# Altium PCB GN-1846-A-V2.PcbDoc (part 1 of 4) (continued)
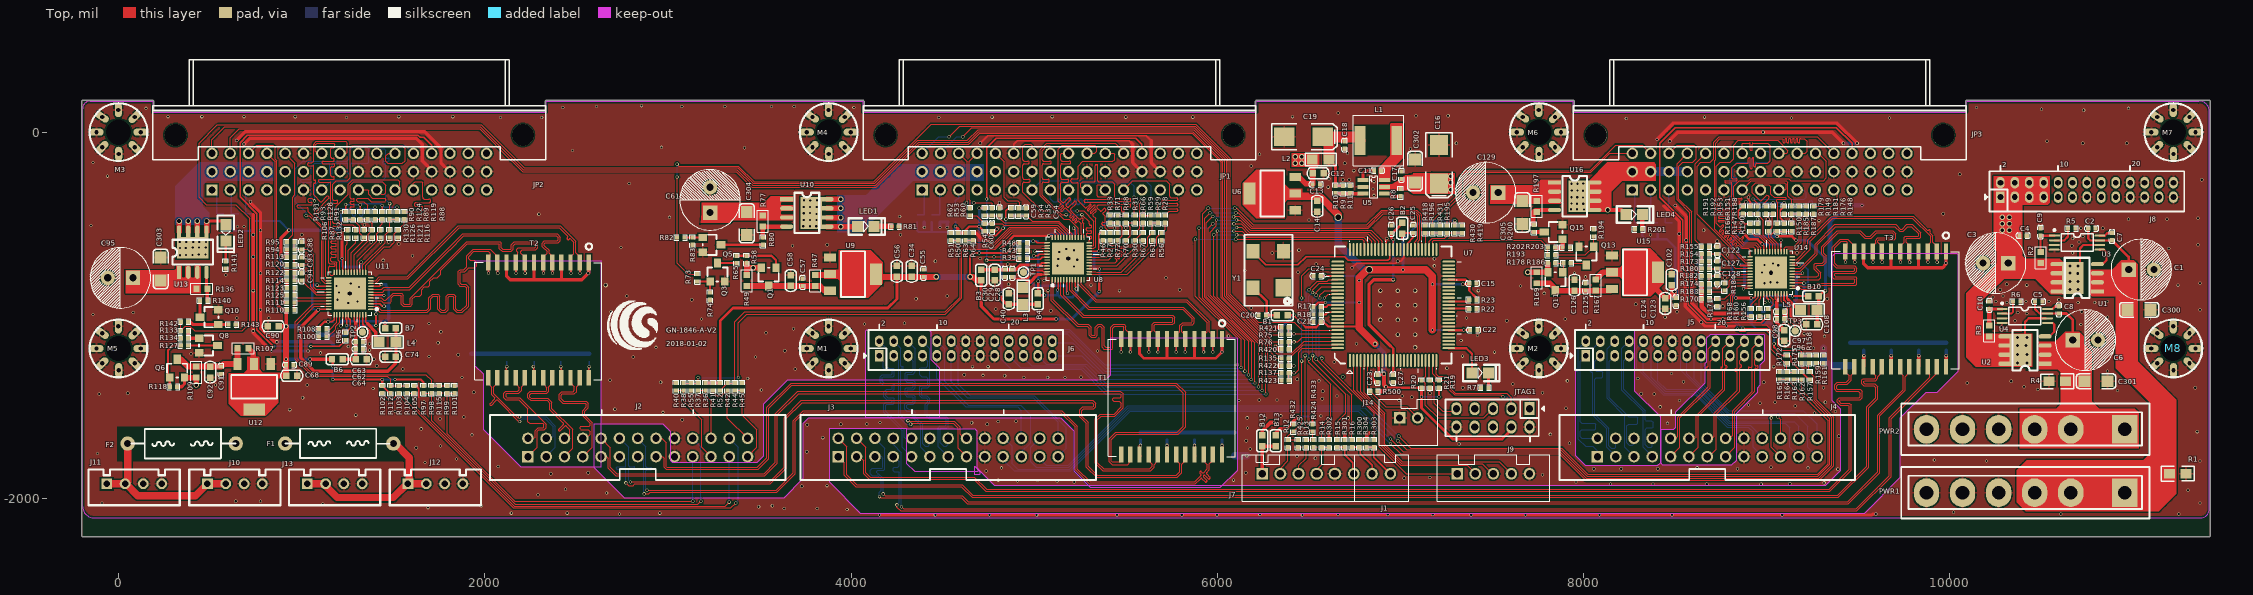
[diagram p0: Top view]
## Components (designator, comment, footprint, x,y, rotation, side; value= is the part's Value field where it differs from the comment) (continued)
R46 "4.7K" 0402R 5375,-590 r90 top
R47 "nc" R0603 3805,-810 r270 top
R48 "4.7K" 0402R 4960,-605 r180 top
R49 "nc" R0603 3430,-810 r90 top
R50 "4.7K" 0402R 4585,-590 r90 top
R51 "nc" 0402R 4545,-590 r90 top
R52 "4.7K" 0402R 3285,-1410 r90 top
R53 "1.5K" 0402R 4730,-455 r90 top
R54 "1.5K" 0402R 4730,-500 r270 top
R55 "4.7K" 0402R 3125,-1370 r270 top
R56 "4.7K" 0402R 5695,-550 r270 top
R58 "100K" 0402R 3430,-715 r90 top
R59 "4.7K" 0402R 5635,-495 r90 top
R60 "33" 0402R 4770,-415 r270 top
R61 "nc" 0402R 5645,-550 r270 top
R62 "33" 0402R 4650,-415 r270 top
R63 "4.7K" 0402R 4625,-590 r90 top
R64 "nc" 0402R 4665,-590 r90 top
R65 "10K" 0402R 3375,-675 r270 top
R66 "4.7K" 0402R 5595,-495 r90 top
R67 "nc" 0402R 5595,-550 r270 top
R68 "4.7K" 0402R 5500,-495 r90 top
R70 "nc" 0402R 5500,-590 r90 top
R71 "4.7K" 0402R 5455,-495 r90 top
R72 "nc" 0402R 5455,-590 r90 top
R73 "2K" 0402R 3160,-815 r90 top
R74 "1K" 0402R 3230,-915 r90 top
R75 "100" 0402R 6350,-1105 r0 top
R76 "100" 0402R 6350,-1145 r0 top
R77 "100K" R0603 3518.15,-485.84 r90 top
R80 "0" 0402R 3520,-615 r90 top
R81 "10K" 0402R 4260,-515 r180 top
R82 "2K" 0402R 3090,-575 r180 top
R83 "1K" 0402R 3135,-615 r90 top
R84 "75" 0402R 2120,-1250 r90 bottom
R85 "75" 0402R 2270,-1250 r90 bottom
R86 "75" 0402R 2415,-1250 r90 bottom
R87 "33" 0402R 1295,-535 r270 top
R88 "33" 0402R 1560,-435 r270 top
R89 "33" 0402R 1480,-435 r270 top
R90 "33" 0402R 1400,-435 r270 top
R91 "33" 0402R 1360,-435 r270 top
R92 "75" 0402R 2570,-1250 r90 bottom
R93 "33" 0402R 1280,-435 r270 top
R94 "nc" 0402R 920,-640 r0 top
R95 "33" 0402R 920,-600 r0 top
R96 "33" 0402R 1240,-1135 r90 top
R97 "nc" 0402R 1665,-1385 r270 top
R98 "0" 0402R 1710,-1385 r270 top
R99 "nc" 0402R 1795,-1385 r270 top
R100 "2.49K/1%" 0402R 1095,-1115 r0 top
R101 "4.7K" 0402R 1835,-1385 r270 top
R102 "4.7K" 0402R 1440,-1385 r270 top
R103 "nc" 0402R 1530,-1385 r270 top
R104 "0" 0402R 1575,-1385 r270 top
R105 "nc" 0402R 1615,-1385 r270 top
R106 "4.7K" 0402R 1250,-575 r90 top
R107 "nc" R0603 680,-1180 r180 top
R108 "4.7K" 0402R 1135,-1075 r180 top
R109 "nc" R0603 425,-1310 r270 top
R110 "4.7K" 0402R 960,-970 r180 top
R111 "nc" 0402R 960,-930 r180 top
R112 "4.7K" 0402R 1485,-1385 r270 top
R113 "1.5K" 0402R 960,-680 r180 top
R114 "1.5K" 0402R 960,-810 r180 top
R115 "4.7K" 0402R 1750,-1385 r270 top
R116 "4.7K" 0402R 1525,-535 r270 top
R118 "100K" 0402R 320,-1390 r180 top
R119 "4.7K" 0402R 1520,-475 r90 top
R120 "33" 0402R 920,-725 r0 top
R121 "nc" 0402R 1480,-535 r270 top
R122 "33" 0402R 920,-770 r0 top
R123 "4.7K" 0402R 960,-850 r180 top
R124 "4.7K" 0402R 1440,-475 r90 top
R125 "nc" 0402R 960,-890 r180 top
R126 "nc" 0402R 1430,-535 r270 top
R127 "10K" 0402R 340,-1165 r0 top
R128 "4.7K" 0402R 1320,-475 r90 top
R130 "nc" 0402R 1385,-535 r270 top
R131 "4.7K" 0402R 1240,-475 r90 top
R132 "nc" 0402R 1340,-575 r90 top
R133 "2K" 0402R 380,-1085 r180 top
R134 "1K" 0402R 340,-1125 r0 top
R135 "100" 0402R 6350,-1235 r0 top
R136 "100K" R0603 455,-855 r180 top
R137 "100" 0402R 6350,-1315 r0 top
R140 "0" 0402R 445,-920 r0 top
R141 "10K" 0402R 585,-745 r90 top
R142 "2K" 0402R 380,-1035 r180 top
R143 "1K" 0402R 640,-1050 r180 top
R144 "75" 0402R 9530,-1190 r90 bottom
R145 "75" 0402R 9680,-1190 r90 bottom
R146 "75" 0402R 9830,-1190 r90 bottom
R147 "33" 0402R 8950,-500 r270 top
R148 "33" 0402R 9255,-405 r270 top
R149 "33" 0402R 9135,-405 r270 top
R150 "33" 0402R 9055,-500 r270 top
R151 "33" 0402R 8995,-405 r270 top
R152 "75" 0402R 9980,-1190 r90 bottom
R153 "33" 0402R 8950,-405 r270 top
R154 "nc" 0402R 8645,-665 r0 top
R155 "33" 0402R 8645,-625 r0 top
R156 "33" 0402R 9005,-1005 r90 top
R157 "nc" 0402R 9235,-1350 r90 top
R158 "0" 0402R 9230,-1220 r270 top
R159 "nc" 0402R 9270,-1220 r270 top
R160 "2.49K/1%" 0402R 8960,-1005 r90 top
R161 "4.7K" 0402R 9310,-1220 r270 top
R162 "4.7K" 0402R 9190,-1310 r270 top
R163 "nc" 0402R 9150,-1310 r270 top
R164 "0" 0402R 9110,-1310 r270 top
R165 "nc" 0402R 9070,-1310 r270 top
R166 "4.7K" 0402R 8910,-540 r90 top
R167 "nc" R0603 8065,-835 r270 top
R168 "4.7K" 0402R 8915,-965 r270 top
R169 "nc" R0603 7745,-795 r90 top
R170 "4.7K" 0402R 8685,-910 r180 top
R171 "nc" 0402R 8730,-910 r270 top
R172 "4.7K" 0402R 9110,-1260 r90 top
R173 "1.5K" 0402R 8685,-705 r180 top
R174 "1.5K" 0402R 8685,-830 r180 top
R175 "4.7K" 0402R 9190,-1220 r270 top
R176 "4.7K" 0402R 9215,-445 r90 top
R178 "100K" 0402R 7805,-715 r0 top
R179 "4.7K" 0402R 9095,-445 r90 top
R180 "33" 0402R 8645,-745 r0 top
R181 "nc" 0402R 9175,-445 r90 top
R182 "33" 0402R 8645,-785 r0 top
R183 "4.7K" 0402R 8685,-870 r180 top
R184 "nc" 0402R 8770,-865 r90 top
R185 "4.7K" 0402R 9095,-540 r90 top
R186 "10K" 0402R 7890,-715 r0 top
R187 "nc" 0402R 9135,-540 r90 top
R188 "4.7K" 0402R 9035,-445 r90 top
R190 "nc" 0402R 9010,-540 r90 top
R191 "4.7K" 0402R 8870,-445 r90 top
R192 "nc" 0402R 8910,-445 r90 top
R193 "2K" 0402R 7845,-670 r180 top
R194 "1K" 0402R 8055,-530 r270 top
R195 "100" 0402R 7255,-510 r270 top
R196 "100" 0402R 7175,-510 r270 top
R197 "100K" R0603 7745,-405 r90 top
R200 "0" 0402R 7730,-545 r90 top
R201 "10K" 0402R 8280,-530 r0 top
R202 "2K" 0402R 7845,-630 r180 top
R203 "1K" 0402R 7925,-630 r180 top
R300 "5K1" 0402R 6775,-1680 r270 top
R301 "5K1" 0402R 6695,-1680 r270 top
R302 "5K1" 0402R 6610,-1680 r270 top
R303 "100" 0402R 6855,-1680 r270 top
R304 "5K1" 0402R 6815,-1680 r270 top
R400 "nc" 0402R 8280,-495 r270 bottom
R401 "nc" 0402R 8365,-495 r270 bottom
R402 "nc" 0402R 8485,-495 r270 bottom
R403 "nc" 0402R 535,-445 r270 bottom
R404 "nc" 0402R 655,-445 r270 bottom
R405 "nc" 0402R 695,-445 r270 bottom
R406 "nc" 0402R 4400,-450 r270 bottom
R407 "nc" 0402R 4485,-450 r270 bottom
R408 "nc" 0402R 4530,-450 r270 bottom
R409 "10K/NC" 0402R 4570,-450 r270 bottom
R410 "10K/NC" 0402R 4440,-450 r270 bottom
R411 "10K/NC" 0402R 4360,-450 r270 bottom
R412 "10K/NC" 0402R 735,-445 r270 bottom
R413 "10K/NC" 0402R 615,-445 r270 bottom
R414 "10K/NC" 0402R 575,-445 r270 bottom
R415 "10K/NC" 0402R 8445,-495 r270 bottom
R416 "10K/NC" 0402R 8405,-495 r270 bottom
R417 "10K/NC" 0402R 8320,-495 r270 bottom
R418 "5K1" 0402R 7135,-550 r90 top
R419 "5K1" 0402R 7335,-550 r90 top
R420 "5K1" 0402R 6390,-1185 r180 top
R421 "5K1" 0402R 6390,-1065 r180 top
R422 "5K1" 0402R 6390,-1275 r180 top
R423 "5K1" 0402R 6390,-1355 r180 top
R424 "5K1" 0402R 6525,-1720 r90 top
R425 "5K1" 0402R 6440,-1720 r90 top
R426 "5K1(NC)" 0402R 6390,-1105 r180 bottom
R427 "5K1(NC)" 0402R 6390,-1145 r180 bottom
R428 "5K1(NC)" 0402R 6390,-1275 r180 bottom
R429 "5K1(NC)" 0402R 6390,-1315 r180 bottom
R430 "5K1(NC)" 0402R 7295,-550 r90 top
R431 "5K1(NC)" 0402R 7215,-550 r90 top
R432 "5K1(NC)" 0402R 6415,-1595 r270 top
R433 "5K1(NC)" 0402R 6520,-1595 r270 top
R500 "4.7K" 0402R 6835,-1415 r0 top
T1 "PULSE H5007" H5007-H 5750,-1445 r180 top locked
T2 "PULSE H5007" H5007-H 2293.15,-1025.84 r180 top
T3 "PULSE H5007" H5007-H 9703.15,-965.84 r180 top
TP1 "T POINT A" TP_G 4941.59,-764.87 r180 top
TP2 "T POINT A" TP_G 1331.95,-1091.57 r270 top
TP3 "T POINT A" TP_G 9155,-1085 r270 top
U1 "SI7139" POWERPAKSO8 10805,-870 r180 top
U2 "SI7139" POWERPAKSO8 10520,-1265 r180 top
U3 "TPS2142PW" TSSOP-8 10570,-565 r0 top
U4 "TPS2142PW" TSSOP-8 10285,-965 r0 top
U5 "SY8113B" SOT23_6_G 6853.66,-298.18 r0 top
U6 "AS1117-3.3" SOT223 6300,-335 r90 top
U7 "EPM240T100C5" TQFP-100P 6723.15,-1245.84 r90 top
U8 "RTL8211D" QFN-48P-RTL8211 5185,-690 r0 top
U9 "AS1117-3.3" SOT223 4010,-775 r270 top
U10 "SI7139" POWERPAKSO8 3648.15,-365.84 r0 top
U11 "RTL8211D" QFN-48P-RTL8211 1263.15,-880.84 r90 top
U12 "AS1117-3.3" SOT223 740,-1390 r180 top
U13 "SI7139" POWERPAKSO8 330.24,-765.21 r90 top
U14 "RTL8211D" QFN-48P-RTL8211 9023.39,-766.85 r90 top
U15 "AS1117-3.3" SOT223 8280,-765 r270 top
U16 "SI7139" POWERPAKSO8 7841.15,-274.84 r0 top
Y1 "NC/25MHZ/20PPM" SCXO_7.0X5.0 6360,-850 r90 top

## Footprints (in the part's own frame and the unit in brackets; to place one, negate y for a bottom-side part, rotate by r counter-clockwise, add the part's x,y. Pads: shape width x height; smd on the part's side, far side on the other; paste and mask are expansions set on the pad)
0402C [mil]
  rect 23x23 smd: 1(0,0) 2(40,0)
  silkscreen extent -18,-15 58,15
0402R [mil]
  rect 23x23 smd: 1(0,0) 2(40,0)
  silkscreen extent -15,-15 55,15
0805 [mil]
  rect 50x60 smd: 1(0,-0.31) 2(0,89.69)
  silkscreen extent -40,-45 40,135
3348RFRS-029 [mil]
  round 118.11 / inner round 60 / far side round 60 hole 118.11: 0(948.82,-200) 0/2(-948.82,-200)
  round 62 / inner round 60 / far side round 60 hole 39.37: A1(750,-100) A2(650,-100) A3(550,-100) A4(450,-100) A5(350,-100) A6(250,-100) A7(150,-100) A8(50,-100) A9(-50,-100) A10(-150,-100) A11(-250,-100) A12(-350,-100) A13(-450,-100) A14(-550,-100) A15(-650,-100) A16(-750,-100) B1(750,0) B2(650,0) B3(550,0) B4(450,0) B5(350,0) B6(250,0) B7(150,0) B8(50,0) B9(-50,0) B10(-150,0) B11(-250,0) B12(-350,0) B13(-450,0) B14(-550,0) B15(-650,0) B16(-750,0) C2(650,100) C3(550,100) C4(450,100) C5(350,100) C6(250,100) C7(150,100) C8(50,100) C9(-50,100) C10(-150,100) C11(-250,100) C12(-350,100) C13(-450,100) C14(-550,100) C15(-650,100) C16(-750,100)
  rect 62x62 / inner round 60 / far side round 60 hole 39.37: C1(750,100)
  silkscreen extent -1073,-612 1073,-65
C0603#1 [mm]
  rect 0.9x0.9 smd: 1(-0.75,0) 2(0.75,0)
  Top pour cut-out: -0.381,0.508 0.381,0.508 0.381,-0.508 -0.381,-0.508
  silkscreen extent -1.52,-0.76 1.53,0.76
C0603#2 [mm]
  rect 0.9x0.9 smd: 1(-0.75,0) 2(0.75,0)
  Top pour cut-out: -0.178,0.508 0.152,0.508 0.152,-0.508 -0.178,-0.508
  silkscreen extent -1.52,-0.76 1.53,0.76
C1206 [mil]
  rect 65x65 smd: 1(0,0) 2(126,0)
  silkscreen extent -44,-40 170,40
C6032 [mil]
  rect 110x100 smd: 1(0,0) 2(210,0)
  silkscreen extent -79,-72 277,72
CE8X3.5 [mm]
  rect 2x2 / inner round 1.524 / far side round 1.524 hole 1: 1(-1.75,0)
  round 2 / inner round 1.524 / far side round 1.524 hole 1: 2(1.75,0)
  silkscreen extent -4.2,-4.2 4.2,4.2
CN2 [mm]
  rect 1.6x1.6 / inner round 1.524 / far side round 1.524 hole 1: 1(0,0)
  round 1.6 / inner round 1.524 / far side round 1.524 hole 1: 2(2.5,0)
  silkscreen extent -2.8,-3.8 5.3,2.6
CON5_2D54MM_G [mm]
  rect 1.6x1.6 / inner round 1.524 / far side round 1.524 hole 1: 1(0,0)
  round 1.6 / inner round 1.524 / far side round 1.524 hole 1: 2(2.5,0) 3(5,0) 4(7.5,0) 5(10,0)
  silkscreen extent -2.8,-3.8 12.8,2.6
CON8_2D54MM_G [mm]
  rect 1.6x1.6 / inner round 1.524 / far side round 1.524 hole 1: 1(0,0)
  round 1.6 / inner round 1.524 / far side round 1.524 hole 1: 2(2.54,0) 3(5.08,0) 4(7.62,0) 5(10.16,0) 6(12.7,0) 7(15.24,0) 8(17.78,0)
  silkscreen extent -2.8,-3.8 20.32,2.6
F15 [mm]
  round 2 hole 1: 1(0,0) 2(15,0)
  silkscreen extent 0.03,-2.01 14.5,2.06
FB0805 [mil]
  rect 60x55 smd: 1(0,0) 2(92,0)
  silkscreen extent -39,-34 131,34
H5007-H [mm]
  rect 0.6x2.2 smd: 1(-6.985,-8) 2(-5.715,-8) 3(-4.445,-8) 4(-3.175,-8) 5(-1.905,-8) 6(-0.635,-8) 7(0.635,-8) 8(1.905,-8) 9(3.175,-8) 10(4.445,-8) 11(5.715,-8) 12(6.985,-8) 13(6.985,8) 14(5.715,8) 15(4.445,8) 16(3.175,8) 17(1.905,8) 18(0.635,8) 19(-0.635,8) 20(-1.905,8) 21(-3.175,8) 22(-4.445,8) 23(-5.715,8) 24(-6.985,8)
  silkscreen extent -8.8,-10.63 8.82,8.3
HERDER2X13 [mm]
  rect 1.6x1.6 / inner round 1.524 / far side round 1.524 hole 1: 1(0,0)
  round 1.6 / inner round 1.524 / far side round 1.524 hole 1: 2(0,2.54) 3(2.54,0) 4(2.54,2.54) 5(5.08,0) 6(5.08,2.54) 7(7.62,0) 8(7.62,2.54) 9(10.16,0) 10(10.16,2.54) 11(12.7,0) 12(12.7,2.54) 13(15.24,0) 14(15.24,2.54) 15(17.78,0) 16(17.78,2.54) 17(20.32,0) 18(20.32,2.54) 19(22.86,0) 20(22.86,2.54) 21(25.4,0) 22(25.4,2.54) 23(27.94,0) 24(27.94,2.54) 25(30.48,0) 26(30.48,2.54)
  silkscreen extent -5.26,-3.23 35.74,6.46
HERDER5X2 [mm]
  rect 1.4x1.8 / inner round 1.524 / far side round 1.524 hole 1: 1(0,0)
  oval 1.4x1.8 / inner round 1.524 / far side round 1.524 hole 1: 2(0,2.54) 3(2.54,0) 4(2.54,2.54) 5(5.08,0) 6(5.08,2.54) 7(7.62,0) 8(7.62,2.54) 9(10.16,0) 10(10.16,2.54)
  silkscreen extent -2.02,-1.27 11.68,4.52
HERDER13X2-2.0 [mm]
  rect 1.2x1.6 hole 0.8: 1(0,0)
  oval 1.2x1.6 hole 0.8: 2(0,2) 3(2,0) 4(2,2) 5(4,0) 6(4,2) 7(6,0) 8(6,2) 9(8,0) 10(8,2) 11(10,0) 12(10,2) 13(12,0) 14(12,2) 15(14,0) 16(14,2) 17(16,0) 18(16,2) 19(18,0) 20(18,2) 21(20,0) 22(20,2) 23(22,0) 24(22,2) 25(24,0) 26(24,2)
  silkscreen extent -2.13,-1.98 25.5,4.32
HK [mm]
  round 3 / inner round 1.524 / far side round 1.524 hole 3.5: 1(-0.012,0.007)
  oval 2x1 / inner round 1.524 / far side round 1.524 hole 0.6: 2(3.063,0.007) 6(-3.062,0.007)
  oval 2x1 / inner round 1.524 / far side round 1.524 hole 0.6 rot 135: 3(2.238,-2.068)
  oval 1x2 / inner round 1.524 / far side round 1.524 hole 0.6: 4(0.013,-3.018) 8(-0.025,3.075)
  oval 2x1 / inner round 1.524 / far side round 1.524 hole 0.6 rot 45: 5(-2.262,-2.068) 9(2.238,2.107)
  oval 2x1 / inner round 1.524 / far side round 1.524 hole 0.6 rot 145: 7(-2.262,2.107)
  silkscreen extent -4.01,-3.99 3.99,4.01
L0603 [mm]
  rect 0.9x0.9 smd: 1(0,0.75) 2(0,-0.75)
  Top pour cut-out: -0.508,0.381 0.508,0.381 0.508,-0.381 -0.508,-0.381
  silkscreen extent -0.76,-1.52 0.76,1.52
LED0805 [mil]
  rect 60x60 smd: A(89.68,-0.39) K(-0.32,-0.39)
  silkscreen extent -60,-45 140,45
MPI6045 [mm]
  rect 1.5x4 smd: 1(-2.538,-0.007) 2(2.562,-0.007)
  silkscreen extent -3.49,-3.51 3.51,3.49
POWERPAKSO8 [mm]
  rect 1.8x0.61 smd: 1(0,0)
  oval 1.8x0.61 smd: 2(0,-1.27) 3(0,-2.54) 4(0,-3.81) 5(5.6,-3.81) 6(5.6,-2.54) 7(5.6,-1.27) 8(5.6,0)
  rect 3x4.425 smd: 9(3.425,-1.9)
  silkscreen extent 1.08,-4.69 4.52,0.9
QFN-48P-RTL8211 [mil]
  oval 8x30 smd mask+2: 1(-86.61,-114.96) 2(-70.87,-114.96) 3(-55.12,-114.96) 4(-39.37,-114.96) 5(-23.62,-114.96) 6(-7.87,-114.96) 7(7.87,-114.96) 8(23.62,-114.96) 9(39.37,-114.96) 10(55.12,-114.96) 11(70.87,-114.96) 12(86.61,-114.96) 25(86.61,114.96) 26(70.87,114.96) 27(55.12,114.96) 28(39.37,114.96) 29(23.62,114.96) 30(7.87,114.96) 31(-7.87,114.96) 32(-23.62,114.96) 33(-39.37,114.96) 34(-55.12,114.96) 35(-70.87,114.96) 36(-86.61,114.96)
  oval 30x8 smd mask+2: 13(114.96,-86.61) 14(114.96,-70.87) 15(114.96,-55.12) 16(114.96,-39.37) 17(114.96,-23.62) 18(114.96,-7.87) 19(114.96,7.87) 20(114.96,23.62) 21(114.96,39.37) 22(114.96,55.12) 23(114.96,70.87) 24(114.96,86.61) 37(-114.96,86.61) 38(-114.96,70.87) 39(-114.96,55.12) 40(-114.96,39.37) 41(-114.96,23.62) 42(-114.96,7.87) 43(-114.96,-7.87) 44(-114.96,-23.62) 45(-114.96,-39.37) 46(-114.96,-55.12) 47(-114.96,-70.87) 48(-114.96,-86.61)
  rect 175x175 / inner round 60 / far side round 60 hole 23.62: 49(0,0)
  silkscreen extent -177,-177 177,179
R0603 [mil]
  rect 32x36 smd: 1(-30,0) 2(30,0)
  Top pour cut-out: -15,20 15,20 15,-20 -15,-20
  silkscreen extent -60,-30 60,30
SCXO_7.0X5.0 [mm]
  rect 2.4x2.2 smd: 1(0.008,0.001)
  rect 2x1.8 smd: 2(5.088,0.001) 3(5.088,4.201) 4(0.008,4.201)
  silkscreen extent -2.48,-1.27 7.37,5.36
SIP4 [mm]
  rect 1.5x1.5 hole 0.9: 1(0.008,0.007)
  round 1.5 hole 0.9: 2(2.548,0.007) 3(5.088,0.007) 4(7.628,0.007)
  silkscreen extent -2.51,-2.96 10.14,2
SOT23 [mil]
  rect 40x45 smd: 1(-40,-50) 2(40,-50)
  rect 40x50 smd: 3(0,50)
  silkscreen extent -55,-50 55,26
SOT23_6_G [mil]
  rect 60x21.65 smd: 1(-59.06,37.4) 2(-59.06,0) 3(-59.06,-37.4) 4(59.06,-37.4) 5(59.06,0) 6(59.06,37.4)
  silkscreen extent -22,-59 22,61
SOT223 [mil]
  rect 45x65 smd: 1(-91,-125) 2(0,-125) 3(91,-125)
  rect 118x65 smd: 4(0,125)
  silkscreen extent -125,-65 125,65
TJC2-6 [mm]
  rect 3.5x4 hole 1.9: 1(0,0.007)
  oval 3.5x4 hole 1.9: 2(7.5,0.007) 3(12.5,0.007) 4(17.5,0.007) 5(22.5,0.007) 6(27.5,0.007)
  silkscreen extent -3.4,-3.55 31,3.56
TP_G [mil]
  round 40 smd: 1(0,0)
  silkscreen extent -30,-30 30,30
TQFP-100P [mil]
  rect 70x11 smd: 1(-0.73,-0.44)
  oval 70x11 smd: 2(-0.73,-20.12) 3(-0.73,-39.81) 4(-0.73,-59.49) 5(-0.73,-79.18) 6(-0.73,-98.86) 7(-0.73,-118.55) 8(-0.73,-138.23) 9(-0.73,-157.92) 10(-0.73,-177.6) 11(-0.73,-197.29) 12(-0.73,-216.97) 13(-0.73,-236.66) 14(-0.73,-256.34) 15(-0.73,-276.03) 16(-0.73,-295.71) 17(-0.73,-315.4) 18(-0.73,-335.08) 19(-0.73,-354.77) 20(-0.73,-374.45) 21(-0.73,-394.14) 22(-0.73,-413.82) 23(-0.73,-433.51) 24(-0.73,-453.19) 25(-0.73,-472.88) 51(605.57,-472.88) 52(605.57,-453.19) 53(605.57,-433.51) 54(605.57,-413.82) 55(605.57,-394.14) 56(605.57,-374.45) 57(605.57,-354.77) 58(605.57,-335.08) 59(605.57,-315.4) 60(605.57,-295.71) 61(605.57,-276.03) 62(605.57,-256.34) 63(605.57,-236.66) 64(605.57,-216.97) 65(605.57,-197.29) 66(605.57,-177.6) 67(605.57,-157.92) 68(605.57,-138.23) 69(605.57,-118.55) 70(605.57,-98.86) 71(605.57,-79.18) 72(605.57,-59.49) 73(605.57,-39.81) 74(605.57,-20.12) 75(605.57,-0.44)
  oval 11x70 smd: 26(66.2,-539.81) 27(85.89,-539.81) 28(105.57,-539.81) 29(125.26,-539.81) 30(144.94,-539.81) 31(164.63,-539.81) 32(184.31,-539.81) 33(204,-539.81) 34(223.68,-539.81) 35(243.37,-539.81) 36(263.05,-539.81) 37(282.74,-539.81) 38(302.42,-539.81) 39(322.11,-539.81) 40(341.79,-539.81) 41(361.48,-539.81) 42(381.16,-539.81) 43(400.85,-539.81) 44(420.53,-539.81) 45(440.22,-539.81) 46(459.9,-539.81) 47(479.59,-539.81) 48(499.27,-539.81) 49(518.96,-539.81) 50(538.64,-539.81) 76(538.64,66.49) 77(518.96,66.49) 78(499.27,66.49) 79(479.59,66.49) 80(459.9,66.49) 81(440.22,66.49) 82(420.53,66.49) 83(400.85,66.49) 84(381.16,66.49) 85(361.48,66.49) 86(341.79,66.49) 87(322.11,66.49) 88(302.42,66.49) 89(282.74,66.49) 90(263.05,66.49) 91(243.37,66.49) 92(223.68,66.49) 93(204,66.49) 94(184.31,66.49) 95(164.63,66.49) 96(144.94,66.49) 97(125.26,66.49) 98(105.57,66.49) 99(85.89,66.49) 100(66.2,66.49)
  silkscreen extent -71,-608 674,135
TSSOP-8 [mm]
  rect 1.5x0.28 smd: 1(0.006,-0.001)
  oval 1.5x0.28 smd: 2(0.006,-0.651) 3(0.006,-1.301) 4(0.006,-1.951) 5(6.306,-1.951) 6(6.306,-1.301) 7(6.306,-0.651) 8(6.306,-0.001)
  silkscreen extent -0.14,-2.18 5.37,0.92

## Part data
B1 B2 B3 B4 B5 B6 B7 B8 B9 B10 B11 B12 B13 F1 F2 L1 L2 L3 L4 L5: library part "CHOKE TORROID_0"
C1 C3 C6 C61 C95 C129: library part "CAP POL"
C2 C4 C5 C7 C8 C9 C10 C11 C16 C17 C18 C19 C20 C300 C301 C302 C303 C304 C305: library part "CAP NP"
C12 C13 C14 C15 C21 C22 C23 C24 C25 C26 C27 C28 C29 C30 C31 C32 C33 C34 C35 C36 C37 C38 C39 C40 C41 C42 C43 C44 C45 C46 C47 C48 C49 C50 C51 C52 C53 C54 C55 C56 C57 C58 C59 C60 C62 C63 C64 C65 C66 C67 C68 C69 C70 C71 C72 C73 C74 C75 C76 C77 C78 C79 C80 C81 C82 C83 C84 C85 C86 C87 C88 C89 C90 C91 C92 C93 C94 C96 C97 C98 C99 C100 C101 C102 C103 C104 C105 C106 C107 C108 C109 C110 C111 C112 C113 C114 C115 C116 C117 C118 C119 C120 C121 C122 C123 C124 C125 C126 C127 C128: library part "CAP NP_Dup1"
J1: library part CON8_0
J2 J3 J4: library part CON26A_0
J7 J9 J10 J11 J12 J13 J14: library part CON8_1
JTAG1: library part CON10A_0
LED1: library part LED_1
LED2 LED3 LED4: library part LED_0
M1 M2 M3 M4 M5 M6 M7 M8: library part GEN35
PWR1 PWR2: library part POWER_4P
Q1 Q6 Q11: library part "MOSFET P_0"
Q3 Q5 Q8 Q10 Q13 Q15: library part 2N3904
R1 R2 R3 R4 R5 R6 R8 R9 R10 R11 R47 R49 R58 R65 R73 R74 R107 R109 R118 R127 R133 R134 R167 R169 R178 R186 R193 R194: library part R
R7 R12 R13 R14 R15 R16 R17 R18 R19 R20 R21 R22 R23 R24 R25 R26 R27 R28 R29 R30 R31 R32 R33 R34 R35 R36 R37 R38 R39 R40 R41 R42 R43 R44 R45 R46 R48 R50 R51 R52 R53 R54 R55 R56 R59 R60 R61 R62 R63 R64 R66 R67 R68 R70 R71 R72 R77 R80 R81 R82 R83 R84 R85 R86 R87 R88 R89 R90 R91 R92 R93 R94 R95 R96 R97 R98 R99 R100 R101 R102 R103 R104 R105 R106 R108 R110 R111 R112 R113 R114 R115 R116 R119 R120 R121 R122 R123 R124 R125 R126 R128 R130 R131 R132 R136 R140 R141 R142 R143 R144 R145 R146 R147 R148 R149 R150 R151 R152 R153 R154 R155 R156 R157 R158 R159 R160 R161 R162 R163 R164 R165 R166 R168 R170 R171 R172 R173 R174 R175 R176 R179 R180 R181 R182 R183 R184 R185 R187 R188 R190 R191 R192 R197 R200 R201 R202 R203 R300 R301 R302 R303 R304 R400 R401 R402 R403 R404 R405 R406 R407 R408 R409 R410 R411 R412 R413 R414 R415 R416 R417 R424 R425 R432 R433 R500: library part R_Dup1
R75 R76 R135 R137 R195 R196 R418 R419 R420 R421 R422 R423 R426 R427 R428 R429 R430 R431: library part R_1
T1 T2 T3: library part "PULSE H5007_0"
U5: library part SY8120
U6: library part AS1117-X_0
U8: library part RTL8211D_2
U9: library part AS1117-X_3
U11 U14: library part RTL8211D_1
U12: library part AS1117-X_1
U15: library part AS1117-X_2
Y1: library part SCXO

## Via types
v1: diameter 18, hole 12, Top to Bottom, 768 vias
v2: diameter 24, hole 16, Top to Bottom, 34 vias
v3: diameter 30, hole 20, Top to Bottom, 27 vias
v4: diameter 40, hole 30, Top to Bottom, 2 vias
v5: diameter 24, hole 14, Top to Bottom, 1 vias

## Nets (pads, with @x,y where several pads share a name; then routed paths per layer and width w, separated by ;. In a path a pad name is that pad's centre, name@x,y a point inside that pad or via, vN(x,y) a via of type N, cw(c..) or ccw(c..) an arc to the next point about the centre after c; other vN are vias at no path point)
5V0: B12.2 C12.1 C13.1 J8.9 J8.10 J8.11 J8.12 L2.2 Q1.2 Q6.2 Q11.2 R49.2 R58.1 R109.2 R118.1 R169.2 R178.1 U6.3 | length 1623.8
  Top w18: R118.1@320,-1390 345,-1390 360,-1375 Q6.2@360,-1340
  Top w20: B12.2@6245,-1655.47 6245,-1630 6290,-1585 v1(6310,-1585)
  Top w30: Q6.2@360,-1340 R109.2@425,-1340 v3(425,-1380) ; R49.2@3430,-780 3430,-745 ; R58.1@3430,-715 3430,-745 ; Q1.2@3510,-740 v3(3465,-740) 3435,-740 3430,-745 ; U6.3@6425,-244 6445.18,-244 6483.18,-282 6517,-282 C13.1@6520,-285 6520,-225.47 C12.1@6520.47,-225 6520.47,-152.47 L2.2@6518,-150 6503,-135 v3(6460,-135) ; v3(6425,-170) v3(6460,-170) v3(6460,-135) ; v3(6425,-135) v3(6460,-135) ; v3(7695,-765) 7765,-765 ; R169.2@7745,-765 7765,-765 ; R178.1@7805,-715 Q11.2@7805,-765 7765,-765
  VCC w20: v1(6310,-1585) 6615,-1585 6685,-1515 v1(6685,-1335)
12VIN: C3.1 C4.1 C16.1 C17.1 C61.1 C95.1 C129.1 C302.1 C303.1 C304.1 C305.1 F1.1 F2.1 J8.1 J8.2 J8.3 J8.4 J8.5 J8.6 J8.7 J8.8 R2.1 R3.1 R8.1 R77.2 R136.2 R197.2 U1.5 U1.6 U1.7 U1.8 U1.9 U2.5 U2.6 U2.7 U2.8 U2.9 U3.6 U4.6 U5.5 U10.1 U10.2 U10.3 U13.1 U13.2 U13.3 U16.1 U16.2 U16.3 | length 4212.1
  Top w5: 188.9,-800 209.45,-820.55 214.45,-825.55 220,-831.1 230,-831.1 330.24,-831.1 330.24,-825 ; U13.1@330.24,-765.21 330.24,-825 ; U13.2@380.24,-765.21 380.24,-825 ; 430.24,-830 385,-830 380.24,-825.24 380.24,-825 ; 3275.26,-430.21 3282.21,-437.16 3289.79,-444.74 3293.15,-444.74 3304.25,-455.84 3430,-455.84 R77.2@3518.15,-455.84 ; U10.3@3648.15,-465.84 3528.15,-465.84 R77.2@3518.15,-455.84 ; U10.2@3648.15,-415.84 3533.15,-415.84 ; U10.1@3648.15,-365.84 3583.15,-365.84 3533.15,-415.84 ; U5.5@6912.72,-298.18 7080,-298.18 7152.69,-298.18 7152.69,-293.18 7093.66,-293.18 7095.92,-290.92 C302.1@7105,-281.84 ; 7583.9,-340 7618.9,-375 C305.1@7665,-375 7725,-375 7725.16,-374.84 7776.15,-374.84 ; U16.3@7841.15,-374.84 7776.15,-374.84 ; U16.2@7841.15,-324.84 7776.15,-324.84 ; U16.1@7841.15,-274.84 7796.15,-274.84 7776.15,-294.84 7776.15,-324.84 ; 330.24,-825 380.24,-825 ; R77.2@3518.15,-455.84 3518.15,-430.84 3533.15,-415.84 ; 7776.15,-374.84 7776.15,-324.84
  Top w10: U2.9@10365.16,-1190.2 10375.16,-1180.2 10380.18,-1175.18 10410,-1145.35 10410,-1120 U2.9@10410,-1115
  Top w12: U2.9@10410,-1115 10410,-1036.23 10430,-1016.23 U4.6@10523.26,-1016.23 ; U1.9@10670.16,-795.2 10695.56,-769.79 10710,-755.35 10710,-730 10710,-635 10728.77,-616.23 U3.6@10818.26,-616.23
  Top w15: R3.1@10215,-1115 10165,-1115 10150,-1100 10150,-883.9 C3.1@10318.9,-715
  Top w18: R136.2@425,-855 430.24,-849.76 430.24,-830 U13.3@430.24,-765.21 ; J8.4@10354.33,-275.59 J8.2@10275.59,-275.59 J8.1@10275.59,-354.33 J8.3@10354.33,-354.33 10354.33,-679.57 C3.1@10318.9,-715 R2.1@10495,-715 ; R2.1@10500,-720 U1.5@10584.53,-720
  Top w24: R3.1@10215,-1115 U2.5@10299.53,-1115
  Top w30: 7118.66,-278.18 7121.84,-275 C16.1@7210,-275 ; C16.1@7210,-315 C16.1@7210,-275 ; C16.1@7210,-240 C16.1@7210,-275
  Top w80: 7118.66,-278.18 7122.82,-282.35
  other v2: 10370,-1260 10420,-1260 10370,-1215 10420,-1215 10370,-1165 10415,-1165 10370,-1120 10420,-1120 10655,-860 10700,-860 10655,-815 10700,-815 10698.06,-772.29 10655,-770 10655,-730 10700,-730
  other v3: 10285,-535 10325,-535 10285,-500 10325,-500 10285,-465 10325,-465 7275,-315 7275,-275 7275,-240
A3V3A: B5.1 C41.1 C42.1 C43.1 U8.6 U8.41 | length 634.9
  Top w8: v1(4996.85,-674.16) 5019.07,-674.16 5026.85,-666.38 U8.41@5070.04,-666.38 ; v1@5176.85,-879.16 5176.85,-805.24 U8.6@5177.13,-804.96
  Bottom w12: C43.1@4961.38,-694.16 4976.85,-694.16 v1(4996.85,-674.16)
  Bottom w15: C42.1@4961.38,-764.16 4961.38,-769.16 4961.38,-793.69 5006.85,-839.16 C41.1@5171.38,-839.16 ; C41.1@5176.85,-844.16 5176.85,-874.16 v1(5181.85,-879.16)
  Bottom w18: 4961.38,-769.16 4961.38,-694.16 B5.1@4961.38,-624.16
A3V3D: B3.2 B5.2 C31.1 C32.1 C33.1 C34.1 C55.1 C56.1 R34.1 R36.1 R41.1 R46.2 R47.1 R48.2 R50.2 R52.2 R53.2 R54.2 R59.2 R63.2 R66.2 R68.2 R71.2 R409.2 R410.2 R411.2 U8.15 U8.21 U8.37 U9.2 U9.4 | length 5764.6
  Top w8: R54.2@4730,-540 4755,-565 4790,-565 v1(4830,-525) ; v1(4845,-475) 4845,-430 4860,-415 R34.1@4880,-415 ; v1(4995,-595) 5007.69,-595 5016.08,-603.39 U8.37@5070.04,-603.39 ; U8.21@5299.96,-650.63 5351.85,-650.63 v1@5355.38,-650.63 ; v1(5351.85,-649.16) 5351.85,-558.15 5360,-550 R46.2@5375,-550 5365,-540 v1(5365,-525) ; R71.2@5455,-455 v1(5475,-455) R68.2@5500,-455 ; R66.2@5595,-455 R59.2@5635,-455 ; R66.2@5600,-450 v1(5600,-430)
  Top w10: v1(4700,-415) R53.2@4730,-415 ; U8.15@5299.96,-745.12 5353.81,-745.12 v1(5355.85,-747.16)
  Top w12: R63.2@4625,-550 4625,-535 4645,-515 v1(4700,-515) 4725,-540 R54.2@4730,-540 ; v3(4650,-790) 4650,-675 4665,-660 v1(4700,-660) 4850,-660 4875,-635 v1(4875,-625) 4895,-605 R48.2@4920,-605 ; v1(5355,-870) v1(5355,-796.7)
  Top w15: R36.1@3205,-1370 R41.1@3245,-1370 R52.2@3285,-1370 3285,-1030 3355,-960 4200,-960 4250,-910 4250,-790 C56.1@4250,-789.53 ; v1(4570,-515) 4585,-530 R50.2@4585,-550 R63.2@4625,-550
  Top w18: B3.2@4710,-809.53 4710,-950 4780,-1020 v1(5120,-1020)
  Top w32: U9.4@4150,-790 4250,-790 v3(4465,-790) ; v3(4650,-790) 4665,-790 4684.53,-809.53 B3.2@4710,-809.53
  Top w35: R47.1@3805,-780 3880,-780 U9.2@3885,-775
  Bottom w8: v1(4830,-525) 4845,-510 v1(4845,-475) ; v1@5365,-520 5430,-455 v1(5475,-455) 5575,-455 v1(5600,-430)
  Bottom w12: R411.2@4360,-490 4360,-535 4370,-545 4440,-545 ; R410.2@4440,-490 4440,-545 ; R409.2@4570,-490 v1(4570,-515) 4570,-525 4550,-545 4440,-545 ; v1(4700,-660) v1(4700,-515) v1(4700,-415) ; v1@4876.31,-623.69 B5.2@4901.85,-623.69 ; B5.2@4902.32,-624.16 B5.2@4901.85,-623.69 ; C33.1@5020,-595 v1(4995,-595) 4930.54,-595 B5.2@4901.85,-623.69 ; C31.1@5326.38,-744.16 5352.85,-744.16 v1(5355.85,-747.16) 5355.85,-795.85 v1(5355,-796.7) ; C32.1@5326.38,-657.16 5343.85,-657.16 v1(5351.85,-649.16)
  Bottom w16: C31.1@5326.38,-744.16 C32.1@5326.38,-657.16 C32.1@5326.85,-656.69
  Bottom w18: v1(5120,-1020) 5205,-1020 v1(5355,-870)
  Bottom w32: v3(4465,-790) v3(4650,-790)
A5V: C57.1 C58.1 Q1.3 R47.2 R49.1 U9.3 | length 465.8
  Top w32: R49.1@3430,-840 Q1.3@3550,-840 3830,-840 3856,-866 U9.3@3885,-866
A_MCLK: JP1.A3 R60.1 | length 458.3
  Top w5: JP1.A3@4587.8,-115.41 4635,-162.61 4635,-380 v1(4630,-385) ; v1(4670,-385) 4765,-385 4770,-390 R60.1@4770,-415
  Bottom w5: v1(4630,-385) v1(4670,-385)
A_MDIO: JP1.A4 R62.1 | length 319.4
  Top w5: R62.1@4650,-415 4650,-375 4645,-370 4645,-158.2 JP1.A4@4687.8,-115.41
A_MX1_N: J2.14 T1.22 | length 4223
  Top w6: v1(2885,-1955) 3590,-1955 3685,-1860 3685,-1575 3740,-1520 5150,-1520 5235,-1605 5235,-1839.44 5304.56,-1909 5875.44,-1909 5909.81,-1874.64 ccw(c5905.99,-1870.82) 5909.8,-1867 5904.24,-1861.44 cw(c5908.06,-1857.62) 5904.24,-1853.8 5905.09,-1852.96 cw(c5908.91,-1856.77) 5912.73,-1852.96 5918.29,-1858.52 ccw(c5922.11,-1854.7) 5925.93,-1858.52 5945.72,-1838.72 5945.72,-1815.72 5926.14,-1796.14 5926.14,-1770.8 T1.22@5926.14,-1745.8
  Top w8: T1.22@5925,-1771.94 T1.22@5926.14,-1770.8
  Bottom w6: J2.14@2835,-1671.65 2880,-1716.65 2880,-1825.6 ccw(c2885.4,-1825.6) 2885.4,-1831 2905.64,-1831 cw(c2905.64,-1836.4) 2911.04,-1836.4 2911.04,-1837.6 cw(c2905.64,-1837.6) 2905.64,-1843 2885.4,-1843 ccw(c2885.4,-1848.4) 2880,-1848.4 2880,-1950 v1(2885,-1955)
A_MX1_P: J2.13 T1.23 | length 4226.2
  Top w6: v1(2870,-1975) 2895,-1975 2904,-1966 3594.56,-1966 3696,-1864.56 3696,-1579.56 3744.56,-1531 5145.44,-1531 5224,-1609.56 5224,-1844 5300,-1920 5880,-1920 5908.2,-1891.8 cw(c5912.01,-1895.62) 5915.83,-1891.8 5933.33,-1909.31 ccw(c5937.15,-1905.49) 5940.97,-1909.31 5941.82,-1908.46 ccw(c5938,-1904.64) 5941.82,-1900.82 5924.32,-1883.32 cw(c5928.14,-1879.5) 5924.32,-1875.68 5925.17,-1874.83 cw(c5928.98,-1878.65) 5932.8,-1874.83 5950.3,-1892.33 ccw(c5954.12,-1888.52) 5957.94,-1892.33 5958.79,-1891.49 ccw(c5954.97,-1887.67) 5958.79,-1883.85 5941.29,-1866.35 cw(c5945.11,-1862.53) 5941.29,-1858.71 5956.72,-1843.28 5956.72,-1809.42 5976.14,-1790 T1.23@5976.14,-1770.8
  Top w8: T1.23@5976.14,-1798.86 5976.14,-1790 T1.23@5976.14,-1770.8
  Bottom w6: J2.13@2835,-1771.65 2851.65,-1771.65 2868,-1788 2868,-1962.04 2870,-1964.04 2870,-1970 v1@2867.5,-1972.5